# KiCad board poly_kb_molecule_8x5.kicad_pcb
title: PolyKB Atom; date: 2022-02-01; rev: 2.1; company: thpoll
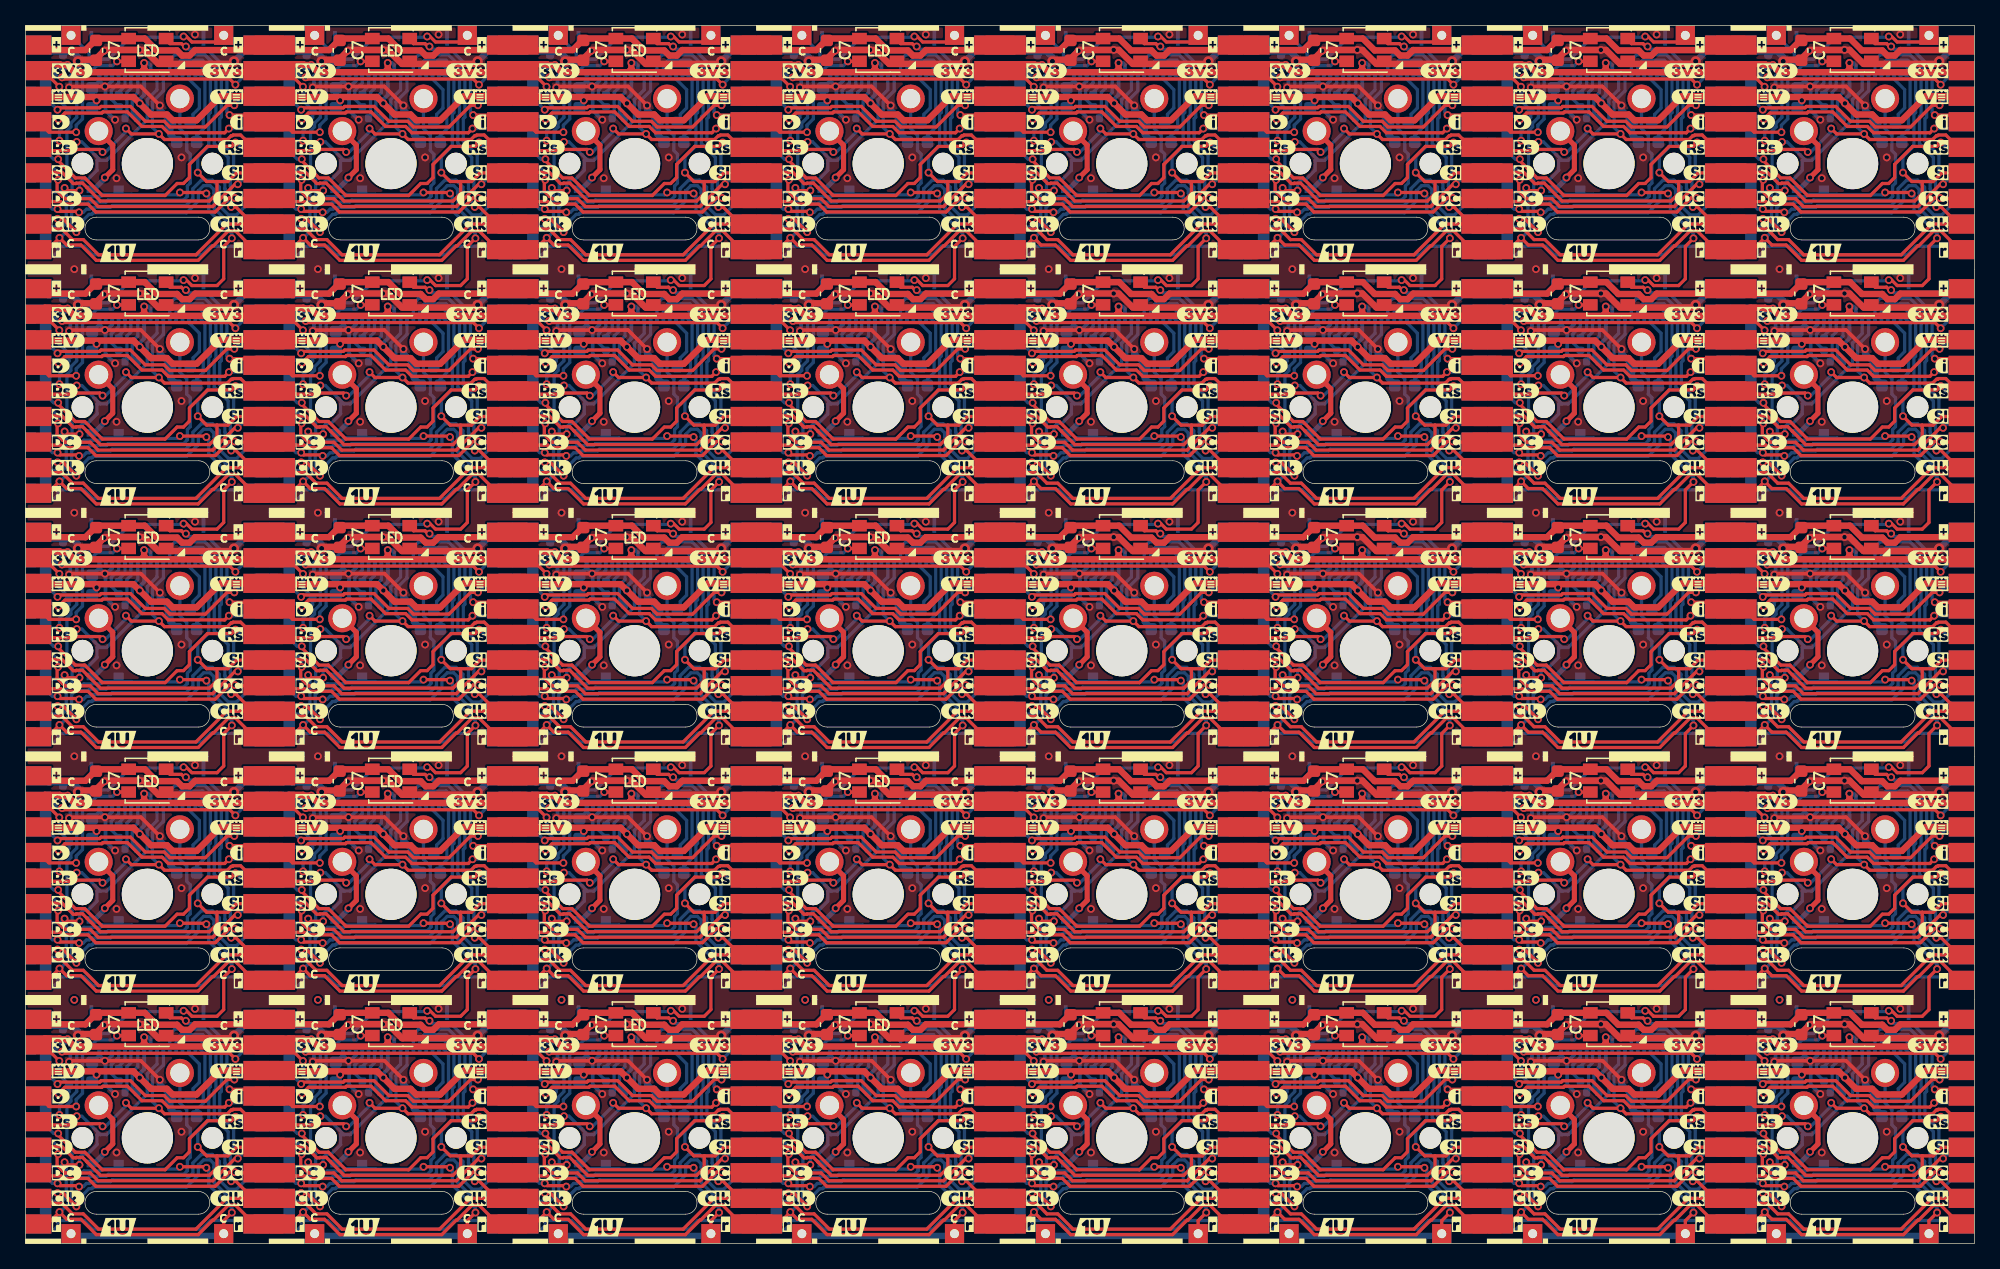
[diagram p0: board, top side]
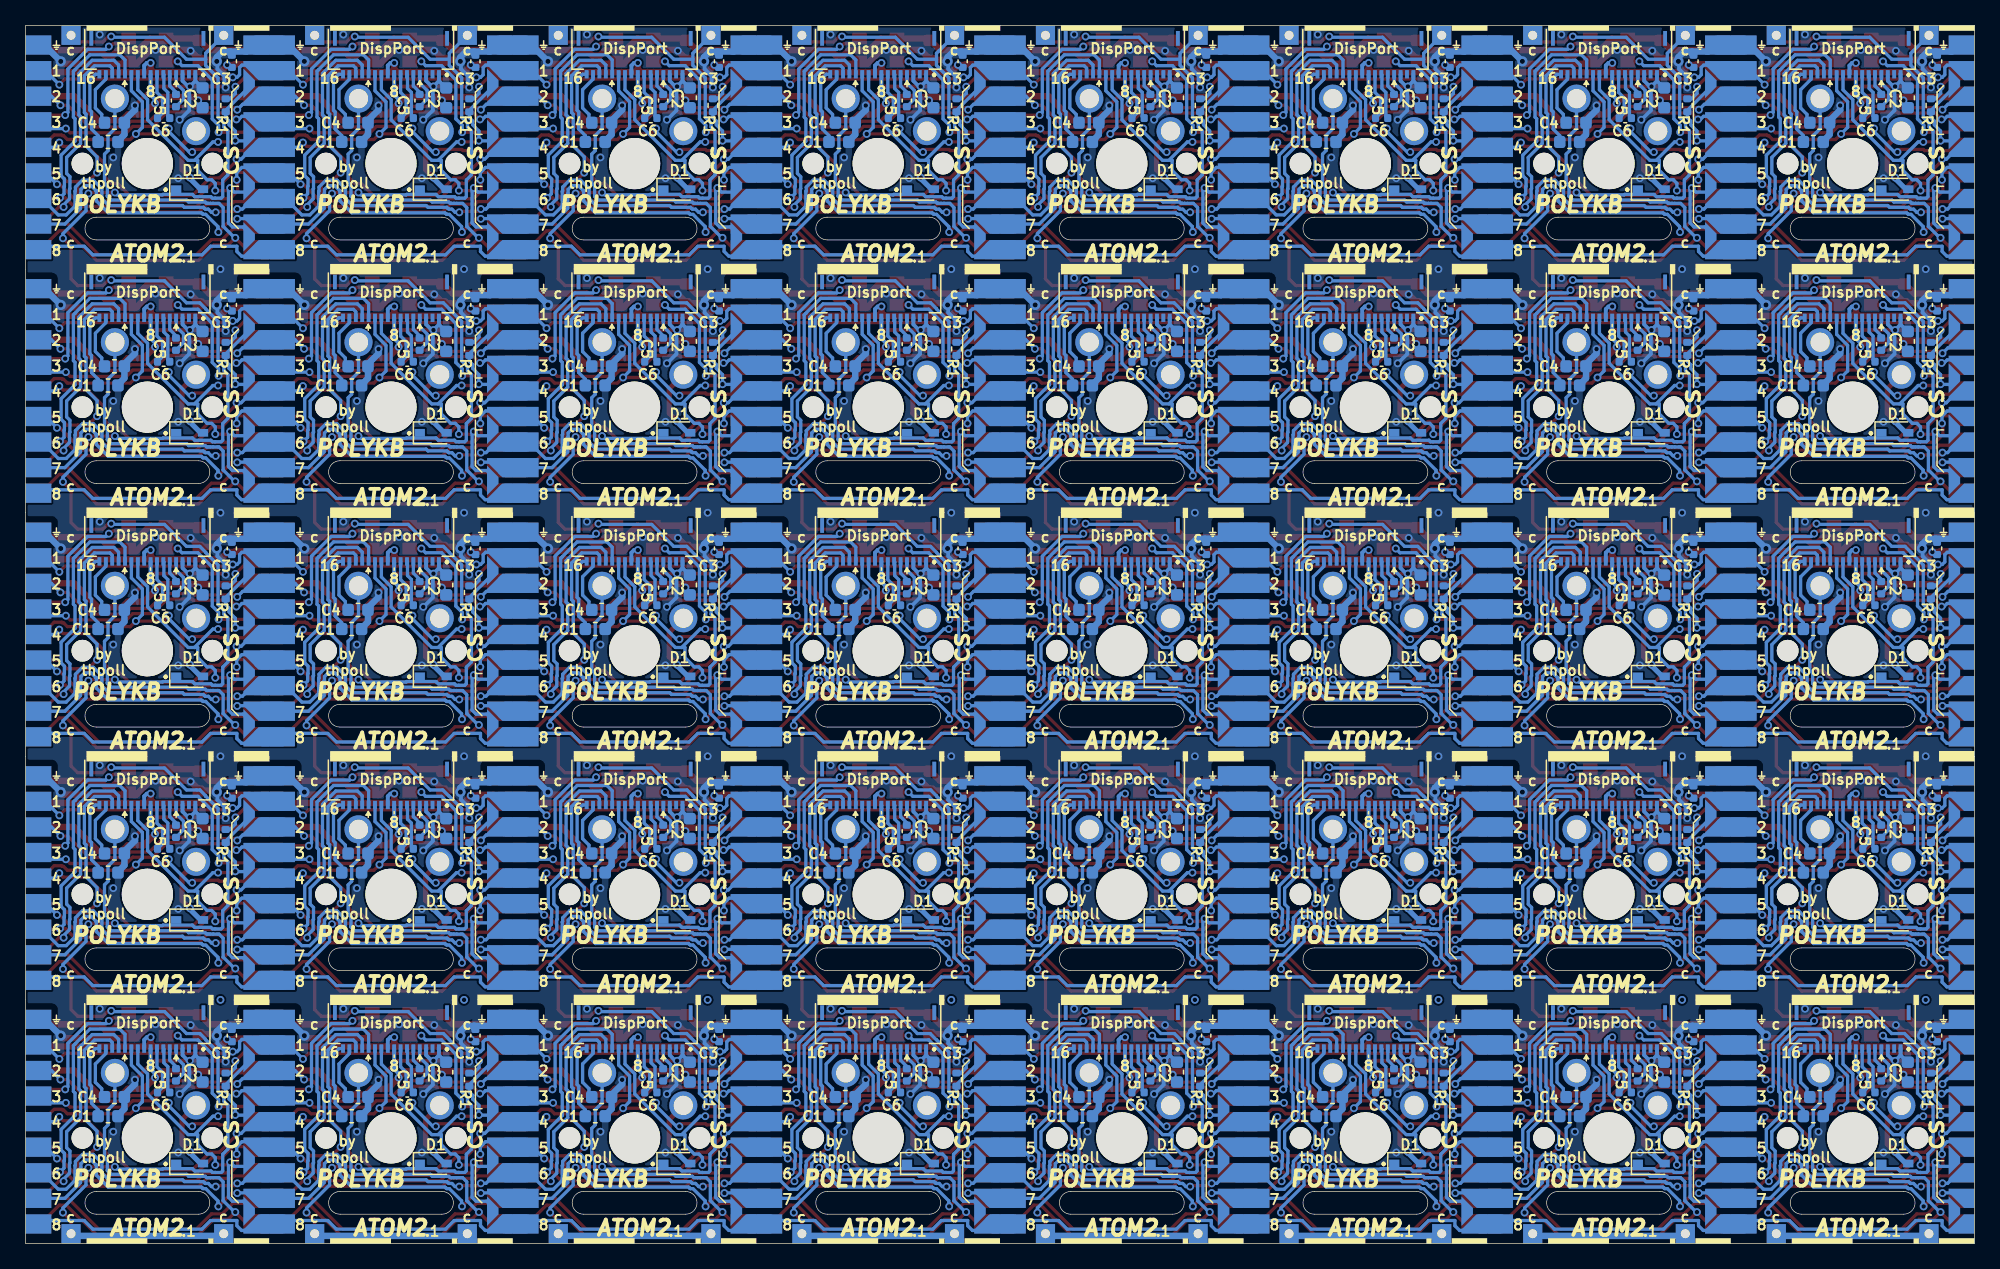
[diagram p1: board, bottom side, seen from below]

Outline 152.4 x 95.25 mm; copper layers: Top, Bottom. Coordinates in mm from the lower left corner of the outline.
Outline path: 0,95.25 0,0 152.4,0 152.4,95.25 0,95.25 ; 5.53,78.49 arc(4.64,79.38) 5.53,80.26 13.52,80.26 arc(14.41,79.38) 13.52,78.49 5.53,78.49 ; 5.53,59.44 arc(4.64,60.33) 5.53,61.21 13.52,61.21 arc(14.41,60.33) 13.52,59.44 5.53,59.44 ; 5.53,40.39 arc(4.64,41.27) 5.53,42.16 13.52,42.16 arc(14.41,41.27) 13.52,40.39 5.53,40.39 ; 5.53,21.34 arc(4.64,22.22) 5.53,23.11 13.52,23.11 arc(14.41,22.22) 13.52,21.34 5.53,21.34 ; 5.53,2.29 arc(4.64,3.17) 5.53,4.06 13.52,4.06 arc(14.41,3.17) 13.52,2.29 5.53,2.29 ; 24.58,78.49 arc(23.7,79.38) 24.58,80.26 32.57,80.26 arc(33.45,79.38) 32.57,78.49 24.58,78.49 ; 24.58,59.44 arc(23.7,60.33) 24.58,61.21 32.57,61.21 arc(33.45,60.33) 32.57,59.44 24.58,59.44 ; 24.58,40.39 arc(23.7,41.27) 24.58,42.16 32.57,42.16 arc(33.45,41.27) 32.57,40.39 24.58,40.39 ; 24.58,21.34 arc(23.7,22.22) 24.58,23.11 32.57,23.11 arc(33.45,22.22) 32.57,21.34 24.58,21.34 ; 24.58,2.29 arc(23.7,3.17) 24.58,4.06 32.57,4.06 arc(33.45,3.17) 32.57,2.29 24.58,2.29 ; 43.63,78.49 arc(42.75,79.38) 43.63,80.26 51.62,80.26 arc(52.5,79.38) 51.62,78.49 43.63,78.49 ; 43.63,59.44 arc(42.75,60.33) 43.63,61.21 51.62,61.21 arc(52.5,60.33) 51.62,59.44 43.63,59.44 ; 43.63,40.39 arc(42.75,41.27) 43.63,42.16 51.62,42.16 arc(52.5,41.27) 51.62,40.39 43.63,40.39 ; 43.63,21.34 arc(42.75,22.22) 43.63,23.11 51.62,23.11 arc(52.5,22.22) 51.62,21.34 43.63,21.34 ; 43.63,2.29 arc(42.75,3.17) 43.63,4.06 51.62,4.06 arc(52.5,3.17) 51.62,2.29 43.63,2.29 ; 62.68,78.49 arc(61.8,79.38) 62.68,80.26 70.67,80.26 arc(71.55,79.38) 70.67,78.49 62.68,78.49 ; 62.68,59.44 arc(61.8,60.33) 62.68,61.21 70.67,61.21 arc(71.55,60.33) 70.67,59.44 62.68,59.44 ; 62.68,40.39 arc(61.8,41.27) 62.68,42.16 70.67,42.16 arc(71.55,41.27) 70.67,40.39 62.68,40.39 ; 62.68,21.34 arc(61.8,22.22) 62.68,23.11 70.67,23.11 arc(71.55,22.22) 70.67,21.34 62.68,21.34 ; 62.68,2.29 arc(61.8,3.17) 62.68,4.06 70.67,4.06 arc(71.55,3.17) 70.67,2.29 62.68,2.29 ; 81.73,78.49 arc(80.84,79.38) 81.73,80.26 89.72,80.26 arc(90.61,79.38) 89.72,78.49 81.73,78.49 ; 81.73,59.44 arc(80.84,60.33) 81.73,61.21 89.72,61.21 arc(90.61,60.33) 89.72,59.44 81.73,59.44 ; 81.73,40.39 arc(80.84,41.27) 81.73,42.16 89.72,42.16 arc(90.61,41.27) 89.72,40.39 81.73,40.39 ; 81.73,21.34 arc(80.84,22.22) 81.73,23.11 89.72,23.11 arc(90.61,22.22) 89.72,21.34 81.73,21.34 ; 81.73,2.29 arc(80.84,3.17) 81.73,4.06 89.72,4.06 arc(90.61,3.17) 89.72,2.29 81.73,2.29 ; 100.78,78.49 arc(99.9,79.38) 100.78,80.26 108.77,80.26 arc(109.66,79.38) 108.77,78.49 100.78,78.49 ; 100.78,59.44 arc(99.9,60.33) 100.78,61.21 108.77,61.21 arc(109.66,60.33) 108.77,59.44 100.78,59.44 ; 100.78,40.39 arc(99.9,41.27) 100.78,42.16 108.77,42.16 arc(109.66,41.27) 108.77,40.39 100.78,40.39 ; 100.78,21.34 arc(99.9,22.22) 100.78,23.11 108.77,23.11 arc(109.66,22.22) 108.77,21.34 100.78,21.34 ; 100.78,2.29 arc(99.9,3.17) 100.78,4.06 108.77,4.06 arc(109.66,3.17) 108.77,2.29 100.78,2.29 ; 119.83,78.49 arc(118.94,79.38) 119.83,80.26 127.82,80.26 arc(128.71,79.38) 127.82,78.49 119.83,78.49 ; 119.83,59.44 arc(118.94,60.33) 119.83,61.21 127.82,61.21 arc(128.71,60.33) 127.82,59.44 119.83,59.44 ; 119.83,40.39 arc(118.94,41.27) 119.83,42.16 127.82,42.16 arc(128.71,41.27) 127.82,40.39 119.83,40.39 ; 119.83,21.34 arc(118.94,22.22) 119.83,23.11 127.82,23.11 arc(128.71,22.22) 127.82,21.34 119.83,21.34 ; 119.83,2.29 arc(118.94,3.17) 119.83,4.06 127.82,4.06 arc(128.71,3.17) 127.82,2.29 119.83,2.29 ; 138.88,78.49 arc(138,79.38) 138.88,80.26 146.87,80.26 arc(147.75,79.38) 146.87,78.49 138.88,78.49 ; 138.88,59.44 arc(138,60.33) 138.88,61.21 146.87,61.21 arc(147.75,60.33) 146.87,59.44 138.88,59.44 ; 138.88,40.39 arc(138,41.27) 138.88,42.16 146.87,42.16 arc(147.75,41.27) 146.87,40.39 138.88,40.39 ; 138.88,21.34 arc(138,22.22) 138.88,23.11 146.87,23.11 arc(147.75,22.22) 146.87,21.34 138.88,21.34 ; 138.88,2.29 arc(138,3.17) 138.88,4.06 146.87,4.06 arc(147.75,3.17) 146.87,2.29 138.88,2.29
Stack: Top 0.035mm / dielectric 1.51mm FR4 er 4.5 / Bottom 0.035mm

## Placement (name value [footprint] x y rotation side)
C1  2.2uF  [C_0603_1608Metric]  12.6 86.15 180 bottom
C1#2  2.2uF  [C_0603_1608Metric]  126.9 29 180 bottom
C1#3  2.2uF  [C_0603_1608Metric]  126.9 86.15 180 bottom
C1#4  2.2uF  [C_0603_1608Metric]  145.95 67.1 180 bottom
C1#5  2.2uF  [C_0603_1608Metric]  145.95 86.15 180 bottom
C1#6  2.2uF  [C_0603_1608Metric]  88.8 9.95 180 bottom
C1#7  2.2uF  [C_0603_1608Metric]  88.8 29 180 bottom
C1#8  2.2uF  [C_0603_1608Metric]  50.7 29 180 bottom
C1#9  2.2uF  [C_0603_1608Metric]  145.95 48.05 180 bottom
C1#10  2.2uF  [C_0603_1608Metric]  107.85 48.05 180 bottom
C1#11  2.2uF  [C_0603_1608Metric]  145.95 29 180 bottom
C1#12  2.2uF  [C_0603_1608Metric]  31.65 67.1 180 bottom
C1#13  2.2uF  [C_0603_1608Metric]  69.75 9.95 180 bottom
C1#14  2.2uF  [C_0603_1608Metric]  69.75 29 180 bottom
C1#15  2.2uF  [C_0603_1608Metric]  126.9 48.05 180 bottom
C1#16  2.2uF  [C_0603_1608Metric]  12.6 67.1 180 bottom
C1#17  2.2uF  [C_0603_1608Metric]  31.65 29 180 bottom
C1#18  2.2uF  [C_0603_1608Metric]  69.75 48.05 180 bottom
C1#19  2.2uF  [C_0603_1608Metric]  88.8 86.15 180 bottom
C1#20  2.2uF  [C_0603_1608Metric]  107.85 29 180 bottom
C1#21  2.2uF  [C_0603_1608Metric]  126.9 9.95 180 bottom
C1#22  2.2uF  [C_0603_1608Metric]  126.9 67.1 180 bottom
C1#23  2.2uF  [C_0603_1608Metric]  31.65 48.05 180 bottom
C1#24  2.2uF  [C_0603_1608Metric]  88.8 48.05 180 bottom
C1#25  2.2uF  [C_0603_1608Metric]  50.7 9.95 180 bottom
C1#26  2.2uF  [C_0603_1608Metric]  31.65 86.15 180 bottom
C1#27  2.2uF  [C_0603_1608Metric]  69.75 67.1 180 bottom
C1#28  2.2uF  [C_0603_1608Metric]  50.7 48.05 180 bottom
C1#29  2.2uF  [C_0603_1608Metric]  107.85 86.15 180 bottom
C1#30  2.2uF  [C_0603_1608Metric]  69.75 86.15 180 bottom
C1#31  2.2uF  [C_0603_1608Metric]  12.6 29 180 bottom
C1#32  2.2uF  [C_0603_1608Metric]  145.95 9.95 180 bottom
C1#33  2.2uF  [C_0603_1608Metric]  88.8 67.1 180 bottom
C1#34  2.2uF  [C_0603_1608Metric]  107.85 67.1 180 bottom
C1#35  2.2uF  [C_0603_1608Metric]  107.85 9.95 180 bottom
C1#36  2.2uF  [C_0603_1608Metric]  12.6 48.05 180 bottom
C1#37  2.2uF  [C_0603_1608Metric]  50.7 67.1 180 bottom
C1#38  2.2uF  [C_0603_1608Metric]  31.65 9.95 180 bottom
C1#39  2.2uF  [C_0603_1608Metric]  12.6 9.95 180 bottom
C1#40  2.2uF  [C_0603_1608Metric]  50.7 86.15 180 bottom
C2  2.2uF  [C_0603_1608Metric]  5.21 89.6 90 bottom
C2#2  2.2uF  [C_0603_1608Metric]  43.31 70.55 90 bottom
C2#3  2.2uF  [C_0603_1608Metric]  119.51 13.4 90 bottom
C2#4  2.2uF  [C_0603_1608Metric]  43.31 32.45 90 bottom
C2#5  2.2uF  [C_0603_1608Metric]  62.36 89.6 90 bottom
C2#6  2.2uF  [C_0603_1608Metric]  100.46 89.6 90 bottom
C2#7  2.2uF  [C_0603_1608Metric]  5.21 13.4 90 bottom
C2#8  2.2uF  [C_0603_1608Metric]  119.51 89.6 90 bottom
C2#9  2.2uF  [C_0603_1608Metric]  5.21 51.5 90 bottom
C2#10  2.2uF  [C_0603_1608Metric]  24.26 51.5 90 bottom
C2#11  2.2uF  [C_0603_1608Metric]  100.46 70.55 90 bottom
C2#12  2.2uF  [C_0603_1608Metric]  24.26 89.6 90 bottom
C2#13  2.2uF  [C_0603_1608Metric]  62.36 32.45 90 bottom
C2#14  2.2uF  [C_0603_1608Metric]  5.21 70.55 90 bottom
C2#15  2.2uF  [C_0603_1608Metric]  81.41 51.5 90 bottom
C2#16  2.2uF  [C_0603_1608Metric]  100.46 51.5 90 bottom
C2#17  2.2uF  [C_0603_1608Metric]  5.21 32.45 90 bottom
C2#18  2.2uF  [C_0603_1608Metric]  43.31 51.5 90 bottom
C2#19  2.2uF  [C_0603_1608Metric]  138.56 89.6 90 bottom
C2#20  2.2uF  [C_0603_1608Metric]  43.31 13.4 90 bottom
C2#21  2.2uF  [C_0603_1608Metric]  81.41 13.4 90 bottom
C2#22  2.2uF  [C_0603_1608Metric]  62.36 70.55 90 bottom
C2#23  2.2uF  [C_0603_1608Metric]  81.41 89.6 90 bottom
C2#24  2.2uF  [C_0603_1608Metric]  100.46 32.45 90 bottom
C2#25  2.2uF  [C_0603_1608Metric]  24.26 70.55 90 bottom
C2#26  2.2uF  [C_0603_1608Metric]  138.56 13.4 90 bottom
C2#27  2.2uF  [C_0603_1608Metric]  81.41 70.55 90 bottom
C2#28  2.2uF  [C_0603_1608Metric]  24.26 13.4 90 bottom
C2#29  2.2uF  [C_0603_1608Metric]  24.26 32.45 90 bottom
C2#30  2.2uF  [C_0603_1608Metric]  43.31 89.6 90 bottom
C2#31  2.2uF  [C_0603_1608Metric]  81.41 32.45 90 bottom
C2#32  2.2uF  [C_0603_1608Metric]  62.36 51.5 90 bottom
C2#33  2.2uF  [C_0603_1608Metric]  100.46 13.4 90 bottom
C2#34  2.2uF  [C_0603_1608Metric]  138.56 70.55 90 bottom
C2#35  2.2uF  [C_0603_1608Metric]  119.51 32.45 90 bottom
C2#36  2.2uF  [C_0603_1608Metric]  138.56 32.45 90 bottom
C2#37  2.2uF  [C_0603_1608Metric]  119.51 70.55 90 bottom
C2#38  2.2uF  [C_0603_1608Metric]  119.51 51.5 90 bottom
C2#39  2.2uF  [C_0603_1608Metric]  62.36 13.4 90 bottom
C2#40  2.2uF  [C_0603_1608Metric]  138.56 51.5 90 bottom
C3  1uF  [C_0402_1005Metric]  2.92 92.46 90 bottom
C3#2  1uF  [C_0402_1005Metric]  60.07 54.36 90 bottom
C3#3  1uF  [C_0402_1005Metric]  136.27 54.36 90 bottom
C3#4  1uF  [C_0402_1005Metric]  60.07 92.46 90 bottom
C3#5  1uF  [C_0402_1005Metric]  98.17 35.31 90 bottom
C3#6  1uF  [C_0402_1005Metric]  117.22 35.31 90 bottom
C3#7  1uF  [C_0402_1005Metric]  136.27 92.46 90 bottom
C3#8  1uF  [C_0402_1005Metric]  41.02 73.41 90 bottom
C3#9  1uF  [C_0402_1005Metric]  136.27 73.41 90 bottom
C3#10  1uF  [C_0402_1005Metric]  41.02 92.46 90 bottom
C3#11  1uF  [C_0402_1005Metric]  136.27 16.26 90 bottom
C3#12  1uF  [C_0402_1005Metric]  79.12 92.46 90 bottom
C3#13  1uF  [C_0402_1005Metric]  79.12 54.36 90 bottom
C3#14  1uF  [C_0402_1005Metric]  79.12 16.26 90 bottom
C3#15  1uF  [C_0402_1005Metric]  98.17 73.41 90 bottom
C3#16  1uF  [C_0402_1005Metric]  117.22 73.41 90 bottom
C3#17  1uF  [C_0402_1005Metric]  21.97 54.36 90 bottom
C3#18  1uF  [C_0402_1005Metric]  2.92 16.26 90 bottom
C3#19  1uF  [C_0402_1005Metric]  21.97 35.31 90 bottom
C3#20  1uF  [C_0402_1005Metric]  136.27 35.31 90 bottom
C3#21  1uF  [C_0402_1005Metric]  98.17 54.36 90 bottom
C3#22  1uF  [C_0402_1005Metric]  21.97 16.26 90 bottom
C3#23  1uF  [C_0402_1005Metric]  41.02 16.26 90 bottom
C3#24  1uF  [C_0402_1005Metric]  117.22 54.36 90 bottom
C3#25  1uF  [C_0402_1005Metric]  79.12 73.41 90 bottom
C3#26  1uF  [C_0402_1005Metric]  117.22 92.46 90 bottom
C3#27  1uF  [C_0402_1005Metric]  79.12 35.31 90 bottom
C3#28  1uF  [C_0402_1005Metric]  2.92 54.36 90 bottom
C3#29  1uF  [C_0402_1005Metric]  21.97 73.41 90 bottom
C3#30  1uF  [C_0402_1005Metric]  2.92 35.31 90 bottom
C3#31  1uF  [C_0402_1005Metric]  117.22 16.26 90 bottom
C3#32  1uF  [C_0402_1005Metric]  60.07 35.31 90 bottom
C3#33  1uF  [C_0402_1005Metric]  98.17 92.46 90 bottom
C3#34  1uF  [C_0402_1005Metric]  60.07 16.26 90 bottom
C3#35  1uF  [C_0402_1005Metric]  21.97 92.46 90 bottom
C3#36  1uF  [C_0402_1005Metric]  41.02 54.36 90 bottom
C3#37  1uF  [C_0402_1005Metric]  2.92 73.41 90 bottom
C3#38  1uF  [C_0402_1005Metric]  98.17 16.26 90 bottom
C3#39  1uF  [C_0402_1005Metric]  41.02 35.31 90 bottom
C3#40  1uF  [C_0402_1005Metric]  60.07 73.41 90 bottom
C4  4.7uF  [C_0603_1608Metric]  12.1 87.65 180 bottom
C4#2  4.7uF  [C_0603_1608Metric]  107.35 68.6 180 bottom
C4#3  4.7uF  [C_0603_1608Metric]  69.25 68.6 180 bottom
C4#4  4.7uF  [C_0603_1608Metric]  126.4 49.55 180 bottom
C4#5  4.7uF  [C_0603_1608Metric]  107.35 11.45 180 bottom
C4#6  4.7uF  [C_0603_1608Metric]  50.2 11.45 180 bottom
C4#7  4.7uF  [C_0603_1608Metric]  126.4 11.45 180 bottom
C4#8  4.7uF  [C_0603_1608Metric]  50.2 49.55 180 bottom
C4#9  4.7uF  [C_0603_1608Metric]  145.45 30.5 180 bottom
C4#10  4.7uF  [C_0603_1608Metric]  12.1 11.45 180 bottom
C4#11  4.7uF  [C_0603_1608Metric]  107.35 30.5 180 bottom
C4#12  4.7uF  [C_0603_1608Metric]  50.2 30.5 180 bottom
C4#13  4.7uF  [C_0603_1608Metric]  69.25 11.45 180 bottom
C4#14  4.7uF  [C_0603_1608Metric]  31.15 11.45 180 bottom
C4#15  4.7uF  [C_0603_1608Metric]  69.25 87.65 180 bottom
C4#16  4.7uF  [C_0603_1608Metric]  50.2 68.6 180 bottom
C4#17  4.7uF  [C_0603_1608Metric]  69.25 30.5 180 bottom
C4#18  4.7uF  [C_0603_1608Metric]  88.3 68.6 180 bottom
C4#19  4.7uF  [C_0603_1608Metric]  12.1 30.5 180 bottom
C4#20  4.7uF  [C_0603_1608Metric]  12.1 68.6 180 bottom
C4#21  4.7uF  [C_0603_1608Metric]  50.2 87.65 180 bottom
C4#22  4.7uF  [C_0603_1608Metric]  126.4 30.5 180 bottom
C4#23  4.7uF  [C_0603_1608Metric]  88.3 87.65 180 bottom
C4#24  4.7uF  [C_0603_1608Metric]  107.35 87.65 180 bottom
C4#25  4.7uF  [C_0603_1608Metric]  126.4 87.65 180 bottom
C4#26  4.7uF  [C_0603_1608Metric]  31.15 68.6 180 bottom
C4#27  4.7uF  [C_0603_1608Metric]  145.45 11.45 180 bottom
C4#28  4.7uF  [C_0603_1608Metric]  69.25 49.55 180 bottom
C4#29  4.7uF  [C_0603_1608Metric]  88.3 11.45 180 bottom
C4#30  4.7uF  [C_0603_1608Metric]  88.3 49.55 180 bottom
C4#31  4.7uF  [C_0603_1608Metric]  88.3 30.5 180 bottom
C4#32  4.7uF  [C_0603_1608Metric]  107.35 49.55 180 bottom
C4#33  4.7uF  [C_0603_1608Metric]  145.45 87.65 180 bottom
C4#34  4.7uF  [C_0603_1608Metric]  12.1 49.55 180 bottom
C4#35  4.7uF  [C_0603_1608Metric]  145.45 49.55 180 bottom
C4#36  4.7uF  [C_0603_1608Metric]  126.4 68.6 180 bottom
C4#37  4.7uF  [C_0603_1608Metric]  31.15 87.65 180 bottom
C4#38  4.7uF  [C_0603_1608Metric]  31.15 49.55 180 bottom
C4#39  4.7uF  [C_0603_1608Metric]  31.15 30.5 180 bottom
C4#40  4.7uF  [C_0603_1608Metric]  145.45 68.6 180 bottom
C5  1uF  [C_0402_1005Metric]  7.29 89.39 90 bottom
C5#2  1uF  [C_0402_1005Metric]  64.44 70.34 90 bottom
C5#3  1uF  [C_0402_1005Metric]  26.34 89.39 90 bottom
C5#4  1uF  [C_0402_1005Metric]  26.34 13.19 90 bottom
C5#5  1uF  [C_0402_1005Metric]  64.44 32.24 90 bottom
C5#6  1uF  [C_0402_1005Metric]  83.49 89.39 90 bottom
C5#7  1uF  [C_0402_1005Metric]  45.39 70.34 90 bottom
C5#8  1uF  [C_0402_1005Metric]  7.29 13.19 90 bottom
C5#9  1uF  [C_0402_1005Metric]  102.54 70.34 90 bottom
C5#10  1uF  [C_0402_1005Metric]  140.64 51.29 90 bottom
C5#11  1uF  [C_0402_1005Metric]  7.29 32.24 90 bottom
C5#12  1uF  [C_0402_1005Metric]  102.54 51.29 90 bottom
C5#13  1uF  [C_0402_1005Metric]  140.64 89.39 90 bottom
C5#14  1uF  [C_0402_1005Metric]  102.54 89.39 90 bottom
C5#15  1uF  [C_0402_1005Metric]  7.29 70.34 90 bottom
C5#16  1uF  [C_0402_1005Metric]  45.39 89.39 90 bottom
C5#17  1uF  [C_0402_1005Metric]  83.49 51.29 90 bottom
C5#18  1uF  [C_0402_1005Metric]  64.44 13.19 90 bottom
C5#19  1uF  [C_0402_1005Metric]  26.34 70.34 90 bottom
C5#20  1uF  [C_0402_1005Metric]  140.64 13.19 90 bottom
C5#21  1uF  [C_0402_1005Metric]  83.49 70.34 90 bottom
C5#22  1uF  [C_0402_1005Metric]  121.59 51.29 90 bottom
C5#23  1uF  [C_0402_1005Metric]  7.29 51.29 90 bottom
C5#24  1uF  [C_0402_1005Metric]  83.49 13.19 90 bottom
C5#25  1uF  [C_0402_1005Metric]  121.59 13.19 90 bottom
C5#26  1uF  [C_0402_1005Metric]  45.39 13.19 90 bottom
C5#27  1uF  [C_0402_1005Metric]  140.64 70.34 90 bottom
C5#28  1uF  [C_0402_1005Metric]  102.54 32.24 90 bottom
C5#29  1uF  [C_0402_1005Metric]  64.44 89.39 90 bottom
C5#30  1uF  [C_0402_1005Metric]  26.34 32.24 90 bottom
C5#31  1uF  [C_0402_1005Metric]  121.59 70.34 90 bottom
C5#32  1uF  [C_0402_1005Metric]  102.54 13.19 90 bottom
C5#33  1uF  [C_0402_1005Metric]  26.34 51.29 90 bottom
C5#34  1uF  [C_0402_1005Metric]  64.44 51.29 90 bottom
C5#35  1uF  [C_0402_1005Metric]  45.39 51.29 90 bottom
C5#36  1uF  [C_0402_1005Metric]  121.59 32.24 90 bottom
C5#37  1uF  [C_0402_1005Metric]  121.59 89.39 90 bottom
C5#38  1uF  [C_0402_1005Metric]  83.49 32.24 90 bottom
C5#39  1uF  [C_0402_1005Metric]  45.39 32.24 90 bottom
C5#40  1uF  [C_0402_1005Metric]  140.64 32.24 90 bottom
C6  1uF  [C_0402_1005Metric]  8.25 88.01 0 bottom
C6#2  1uF  [C_0402_1005Metric]  103.5 30.86 0 bottom
C6#3  1uF  [C_0402_1005Metric]  8.25 68.96 0 bottom
C6#4  1uF  [C_0402_1005Metric]  46.36 88.01 0 bottom
C6#5  1uF  [C_0402_1005Metric]  141.6 49.91 0 bottom
C6#6  1uF  [C_0402_1005Metric]  27.3 88.01 0 bottom
C6#7  1uF  [C_0402_1005Metric]  46.36 49.91 0 bottom
C6#8  1uF  [C_0402_1005Metric]  103.5 68.96 0 bottom
C6#9  1uF  [C_0402_1005Metric]  103.5 88.01 0 bottom
C6#10  1uF  [C_0402_1005Metric]  65.41 30.86 0 bottom
C6#11  1uF  [C_0402_1005Metric]  84.45 88.01 0 bottom
C6#12  1uF  [C_0402_1005Metric]  8.25 11.81 0 bottom
C6#13  1uF  [C_0402_1005Metric]  103.5 49.91 0 bottom
C6#14  1uF  [C_0402_1005Metric]  46.36 30.86 0 bottom
C6#15  1uF  [C_0402_1005Metric]  122.56 68.96 0 bottom
C6#16  1uF  [C_0402_1005Metric]  8.25 30.86 0 bottom
C6#17  1uF  [C_0402_1005Metric]  8.25 49.91 0 bottom
C6#18  1uF  [C_0402_1005Metric]  65.41 49.91 0 bottom
C6#19  1uF  [C_0402_1005Metric]  122.56 30.86 0 bottom
C6#20  1uF  [C_0402_1005Metric]  84.45 68.96 0 bottom
C6#21  1uF  [C_0402_1005Metric]  84.45 49.91 0 bottom
C6#22  1uF  [C_0402_1005Metric]  141.6 88.01 0 bottom
C6#23  1uF  [C_0402_1005Metric]  27.3 11.81 0 bottom
C6#24  1uF  [C_0402_1005Metric]  27.3 68.96 0 bottom
C6#25  1uF  [C_0402_1005Metric]  46.36 11.81 0 bottom
C6#26  1uF  [C_0402_1005Metric]  122.56 11.81 0 bottom
C6#27  1uF  [C_0402_1005Metric]  122.56 49.91 0 bottom
C6#28  1uF  [C_0402_1005Metric]  122.56 88.01 0 bottom
C6#29  1uF  [C_0402_1005Metric]  65.41 68.96 0 bottom
C6#30  1uF  [C_0402_1005Metric]  46.36 68.96 0 bottom
C6#31  1uF  [C_0402_1005Metric]  103.5 11.81 0 bottom
C6#32  1uF  [C_0402_1005Metric]  84.45 30.86 0 bottom
C6#33  1uF  [C_0402_1005Metric]  65.41 88.01 0 bottom
C6#34  1uF  [C_0402_1005Metric]  141.6 30.86 0 bottom
C6#35  1uF  [C_0402_1005Metric]  141.6 11.81 0 bottom
C6#36  1uF  [C_0402_1005Metric]  84.45 11.81 0 bottom
C6#37  1uF  [C_0402_1005Metric]  27.3 30.86 0 bottom
C6#38  1uF  [C_0402_1005Metric]  65.41 11.81 0 bottom
C6#39  1uF  [C_0402_1005Metric]  27.3 49.91 0 bottom
C6#40  1uF  [C_0402_1005Metric]  141.6 68.96 0 bottom
C7  100nF  [C_0603_1608Metric]  100.77 55.21 270 top
C7#2  100nF  [C_0603_1608Metric]  5.52 74.26 270 top
C7#3  100nF  [C_0603_1608Metric]  24.57 93.31 270 top
C7#4  100nF  [C_0603_1608Metric]  24.57 17.11 270 top
C7#5  100nF  [C_0603_1608Metric]  119.82 36.16 270 top
C7#6  100nF  [C_0603_1608Metric]  5.52 36.16 270 top
C7#7  100nF  [C_0603_1608Metric]  138.87 55.21 270 top
C7#8  100nF  [C_0603_1608Metric]  100.77 74.26 270 top
C7#9  100nF  [C_0603_1608Metric]  81.72 17.11 270 top
C7#10  100nF  [C_0603_1608Metric]  138.87 36.16 270 top
C7#11  100nF  [C_0603_1608Metric]  5.52 93.31 270 top
C7#12  100nF  [C_0603_1608Metric]  62.67 36.16 270 top
C7#13  100nF  [C_0603_1608Metric]  119.82 93.31 270 top
C7#14  100nF  [C_0603_1608Metric]  138.87 93.31 270 top
C7#15  100nF  [C_0603_1608Metric]  119.82 55.21 270 top
C7#16  100nF  [C_0603_1608Metric]  62.67 17.11 270 top
C7#17  100nF  [C_0603_1608Metric]  119.82 74.26 270 top
C7#18  100nF  [C_0603_1608Metric]  100.77 93.31 270 top
C7#19  100nF  [C_0603_1608Metric]  81.72 74.26 270 top
C7#20  100nF  [C_0603_1608Metric]  81.72 55.21 270 top
C7#21  100nF  [C_0603_1608Metric]  100.77 36.16 270 top
C7#22  100nF  [C_0603_1608Metric]  43.62 93.31 270 top
C7#23  100nF  [C_0603_1608Metric]  119.82 17.11 270 top
C7#24  100nF  [C_0603_1608Metric]  24.57 55.21 270 top
C7#25  100nF  [C_0603_1608Metric]  100.77 17.11 270 top
C7#26  100nF  [C_0603_1608Metric]  43.62 36.16 270 top
C7#27  100nF  [C_0603_1608Metric]  138.87 74.26 270 top
C7#28  100nF  [C_0603_1608Metric]  43.62 74.26 270 top
C7#29  100nF  [C_0603_1608Metric]  81.72 36.16 270 top
C7#30  100nF  [C_0603_1608Metric]  138.87 17.11 270 top
C7#31  100nF  [C_0603_1608Metric]  43.62 55.21 270 top
C7#32  100nF  [C_0603_1608Metric]  24.57 74.26 270 top
C7#33  100nF  [C_0603_1608Metric]  5.52 17.11 270 top
C7#34  100nF  [C_0603_1608Metric]  43.62 17.11 270 top
C7#35  100nF  [C_0603_1608Metric]  24.57 36.16 270 top
C7#36  100nF  [C_0603_1608Metric]  62.67 74.26 270 top
C7#37  100nF  [C_0603_1608Metric]  5.52 55.21 270 top
C7#38  100nF  [C_0603_1608Metric]  81.72 93.31 270 top
C7#39  100nF  [C_0603_1608Metric]  62.67 55.21 270 top
C7#40  100nF  [C_0603_1608Metric]  62.67 93.31 270 top
D1  D_Small  [D_SOD-323Ext]  6.22 82.45 180 bottom
D1#2  D_Small  [D_SOD-323Ext]  25.27 82.45 180 bottom
D1#3  D_Small  [D_SOD-323Ext]  139.57 44.35 180 bottom
D1#4  D_Small  [D_SOD-323Ext]  101.47 82.45 180 bottom
D1#5  D_Small  [D_SOD-323Ext]  82.42 44.35 180 bottom
D1#6  D_Small  [D_SOD-323Ext]  44.32 6.25 180 bottom
D1#7  D_Small  [D_SOD-323Ext]  44.32 82.45 180 bottom
D1#8  D_Small  [D_SOD-323Ext]  120.52 82.45 180 bottom
D1#9  D_Small  [D_SOD-323Ext]  63.37 25.3 180 bottom
D1#10  D_Small  [D_SOD-323Ext]  44.32 63.4 180 bottom
D1#11  D_Small  [D_SOD-323Ext]  63.37 82.45 180 bottom
D1#12  D_Small  [D_SOD-323Ext]  101.47 25.3 180 bottom
D1#13  D_Small  [D_SOD-323Ext]  101.47 6.25 180 bottom
D1#14  D_Small  [D_SOD-323Ext]  25.27 25.3 180 bottom
D1#15  D_Small  [D_SOD-323Ext]  82.42 82.45 180 bottom
D1#16  D_Small  [D_SOD-323Ext]  82.42 6.25 180 bottom
D1#17  D_Small  [D_SOD-323Ext]  139.57 6.25 180 bottom
D1#18  D_Small  [D_SOD-323Ext]  44.32 25.3 180 bottom
D1#19  D_Small  [D_SOD-323Ext]  6.22 63.4 180 bottom
D1#20  D_Small  [D_SOD-323Ext]  82.42 25.3 180 bottom
D1#21  D_Small  [D_SOD-323Ext]  120.52 63.4 180 bottom
D1#22  D_Small  [D_SOD-323Ext]  101.47 63.4 180 bottom
D1#23  D_Small  [D_SOD-323Ext]  6.22 6.25 180 bottom
D1#24  D_Small  [D_SOD-323Ext]  63.37 63.4 180 bottom
D1#25  D_Small  [D_SOD-323Ext]  44.32 44.35 180 bottom
D1#26  D_Small  [D_SOD-323Ext]  139.57 82.45 180 bottom
D1#27  D_Small  [D_SOD-323Ext]  25.27 63.4 180 bottom
D1#28  D_Small  [D_SOD-323Ext]  120.52 25.3 180 bottom
D1#29  D_Small  [D_SOD-323Ext]  101.47 44.35 180 bottom
D1#30  D_Small  [D_SOD-323Ext]  6.22 44.35 180 bottom
D1#31  D_Small  [D_SOD-323Ext]  25.27 44.35 180 bottom
D1#32  D_Small  [D_SOD-323Ext]  25.27 6.25 180 bottom
D1#33  D_Small  [D_SOD-323Ext]  139.57 63.4 180 bottom
D1#34  D_Small  [D_SOD-323Ext]  120.52 6.25 180 bottom
D1#35  D_Small  [D_SOD-323Ext]  6.22 25.3 180 bottom
D1#36  D_Small  [D_SOD-323Ext]  82.42 63.4 180 bottom
D1#37  D_Small  [D_SOD-323Ext]  63.37 44.35 180 bottom
D1#38  D_Small  [D_SOD-323Ext]  63.37 6.25 180 bottom
D1#39  D_Small  [D_SOD-323Ext]  139.57 25.3 180 bottom
D1#40  D_Small  [D_SOD-323Ext]  120.52 44.35 180 bottom
J1  Conn_01x16  [FPC_16_JUSHUO_AFC05_S16FIA_00]  9.52 91.44 0 bottom
J1#2  Conn_01x16  [FPC_16_JUSHUO_AFC05_S16FIA_00]  28.58 34.29 0 bottom
J1#3  Conn_01x16  [FPC_16_JUSHUO_AFC05_S16FIA_00]  66.67 34.29 0 bottom
J1#4  Conn_01x16  [FPC_16_JUSHUO_AFC05_S16FIA_00]  47.62 72.39 0 bottom
J1#5  Conn_01x16  [FPC_16_JUSHUO_AFC05_S16FIA_00]  123.82 34.29 0 bottom
J1#6  Conn_01x16  [FPC_16_JUSHUO_AFC05_S16FIA_00]  9.52 34.29 0 bottom
J1#7  Conn_01x16  [FPC_16_JUSHUO_AFC05_S16FIA_00]  104.78 53.34 0 bottom
J1#8  Conn_01x16  [FPC_16_JUSHUO_AFC05_S16FIA_00]  123.82 15.24 0 bottom
J1#9  Conn_01x16  [FPC_16_JUSHUO_AFC05_S16FIA_00]  9.52 53.34 0 bottom
J1#10  Conn_01x16  [FPC_16_JUSHUO_AFC05_S16FIA_00]  47.62 91.44 0 bottom
J1#11  Conn_01x16  [FPC_16_JUSHUO_AFC05_S16FIA_00]  142.88 53.34 0 bottom
J1#12  Conn_01x16  [FPC_16_JUSHUO_AFC05_S16FIA_00]  47.62 53.34 0 bottom
J1#13  Conn_01x16  [FPC_16_JUSHUO_AFC05_S16FIA_00]  28.58 15.24 0 bottom
J1#14  Conn_01x16  [FPC_16_JUSHUO_AFC05_S16FIA_00]  85.72 91.44 0 bottom
J1#15  Conn_01x16  [FPC_16_JUSHUO_AFC05_S16FIA_00]  142.88 15.24 0 bottom
J1#16  Conn_01x16  [FPC_16_JUSHUO_AFC05_S16FIA_00]  142.88 72.39 0 bottom
J1#17  Conn_01x16  [FPC_16_JUSHUO_AFC05_S16FIA_00]  104.78 72.39 0 bottom
J1#18  Conn_01x16  [FPC_16_JUSHUO_AFC05_S16FIA_00]  66.67 91.44 0 bottom
J1#19  Conn_01x16  [FPC_16_JUSHUO_AFC05_S16FIA_00]  123.82 53.34 0 bottom
J1#20  Conn_01x16  [FPC_16_JUSHUO_AFC05_S16FIA_00]  123.82 72.39 0 bottom
J1#21  Conn_01x16  [FPC_16_JUSHUO_AFC05_S16FIA_00]  85.72 53.34 0 bottom
J1#22  Conn_01x16  [FPC_16_JUSHUO_AFC05_S16FIA_00]  9.52 15.24 0 bottom
J1#23  Conn_01x16  [FPC_16_JUSHUO_AFC05_S16FIA_00]  28.58 53.34 0 bottom
J1#24  Conn_01x16  [FPC_16_JUSHUO_AFC05_S16FIA_00]  28.58 91.44 0 bottom
J1#25  Conn_01x16  [FPC_16_JUSHUO_AFC05_S16FIA_00]  85.72 15.24 0 bottom
J1#26  Conn_01x16  [FPC_16_JUSHUO_AFC05_S16FIA_00]  123.82 91.44 0 bottom
J1#27  Conn_01x16  [FPC_16_JUSHUO_AFC05_S16FIA_00]  47.62 15.24 0 bottom